# KiCad board arena_10_of_10_v1r1.kicad_pcb (continued)
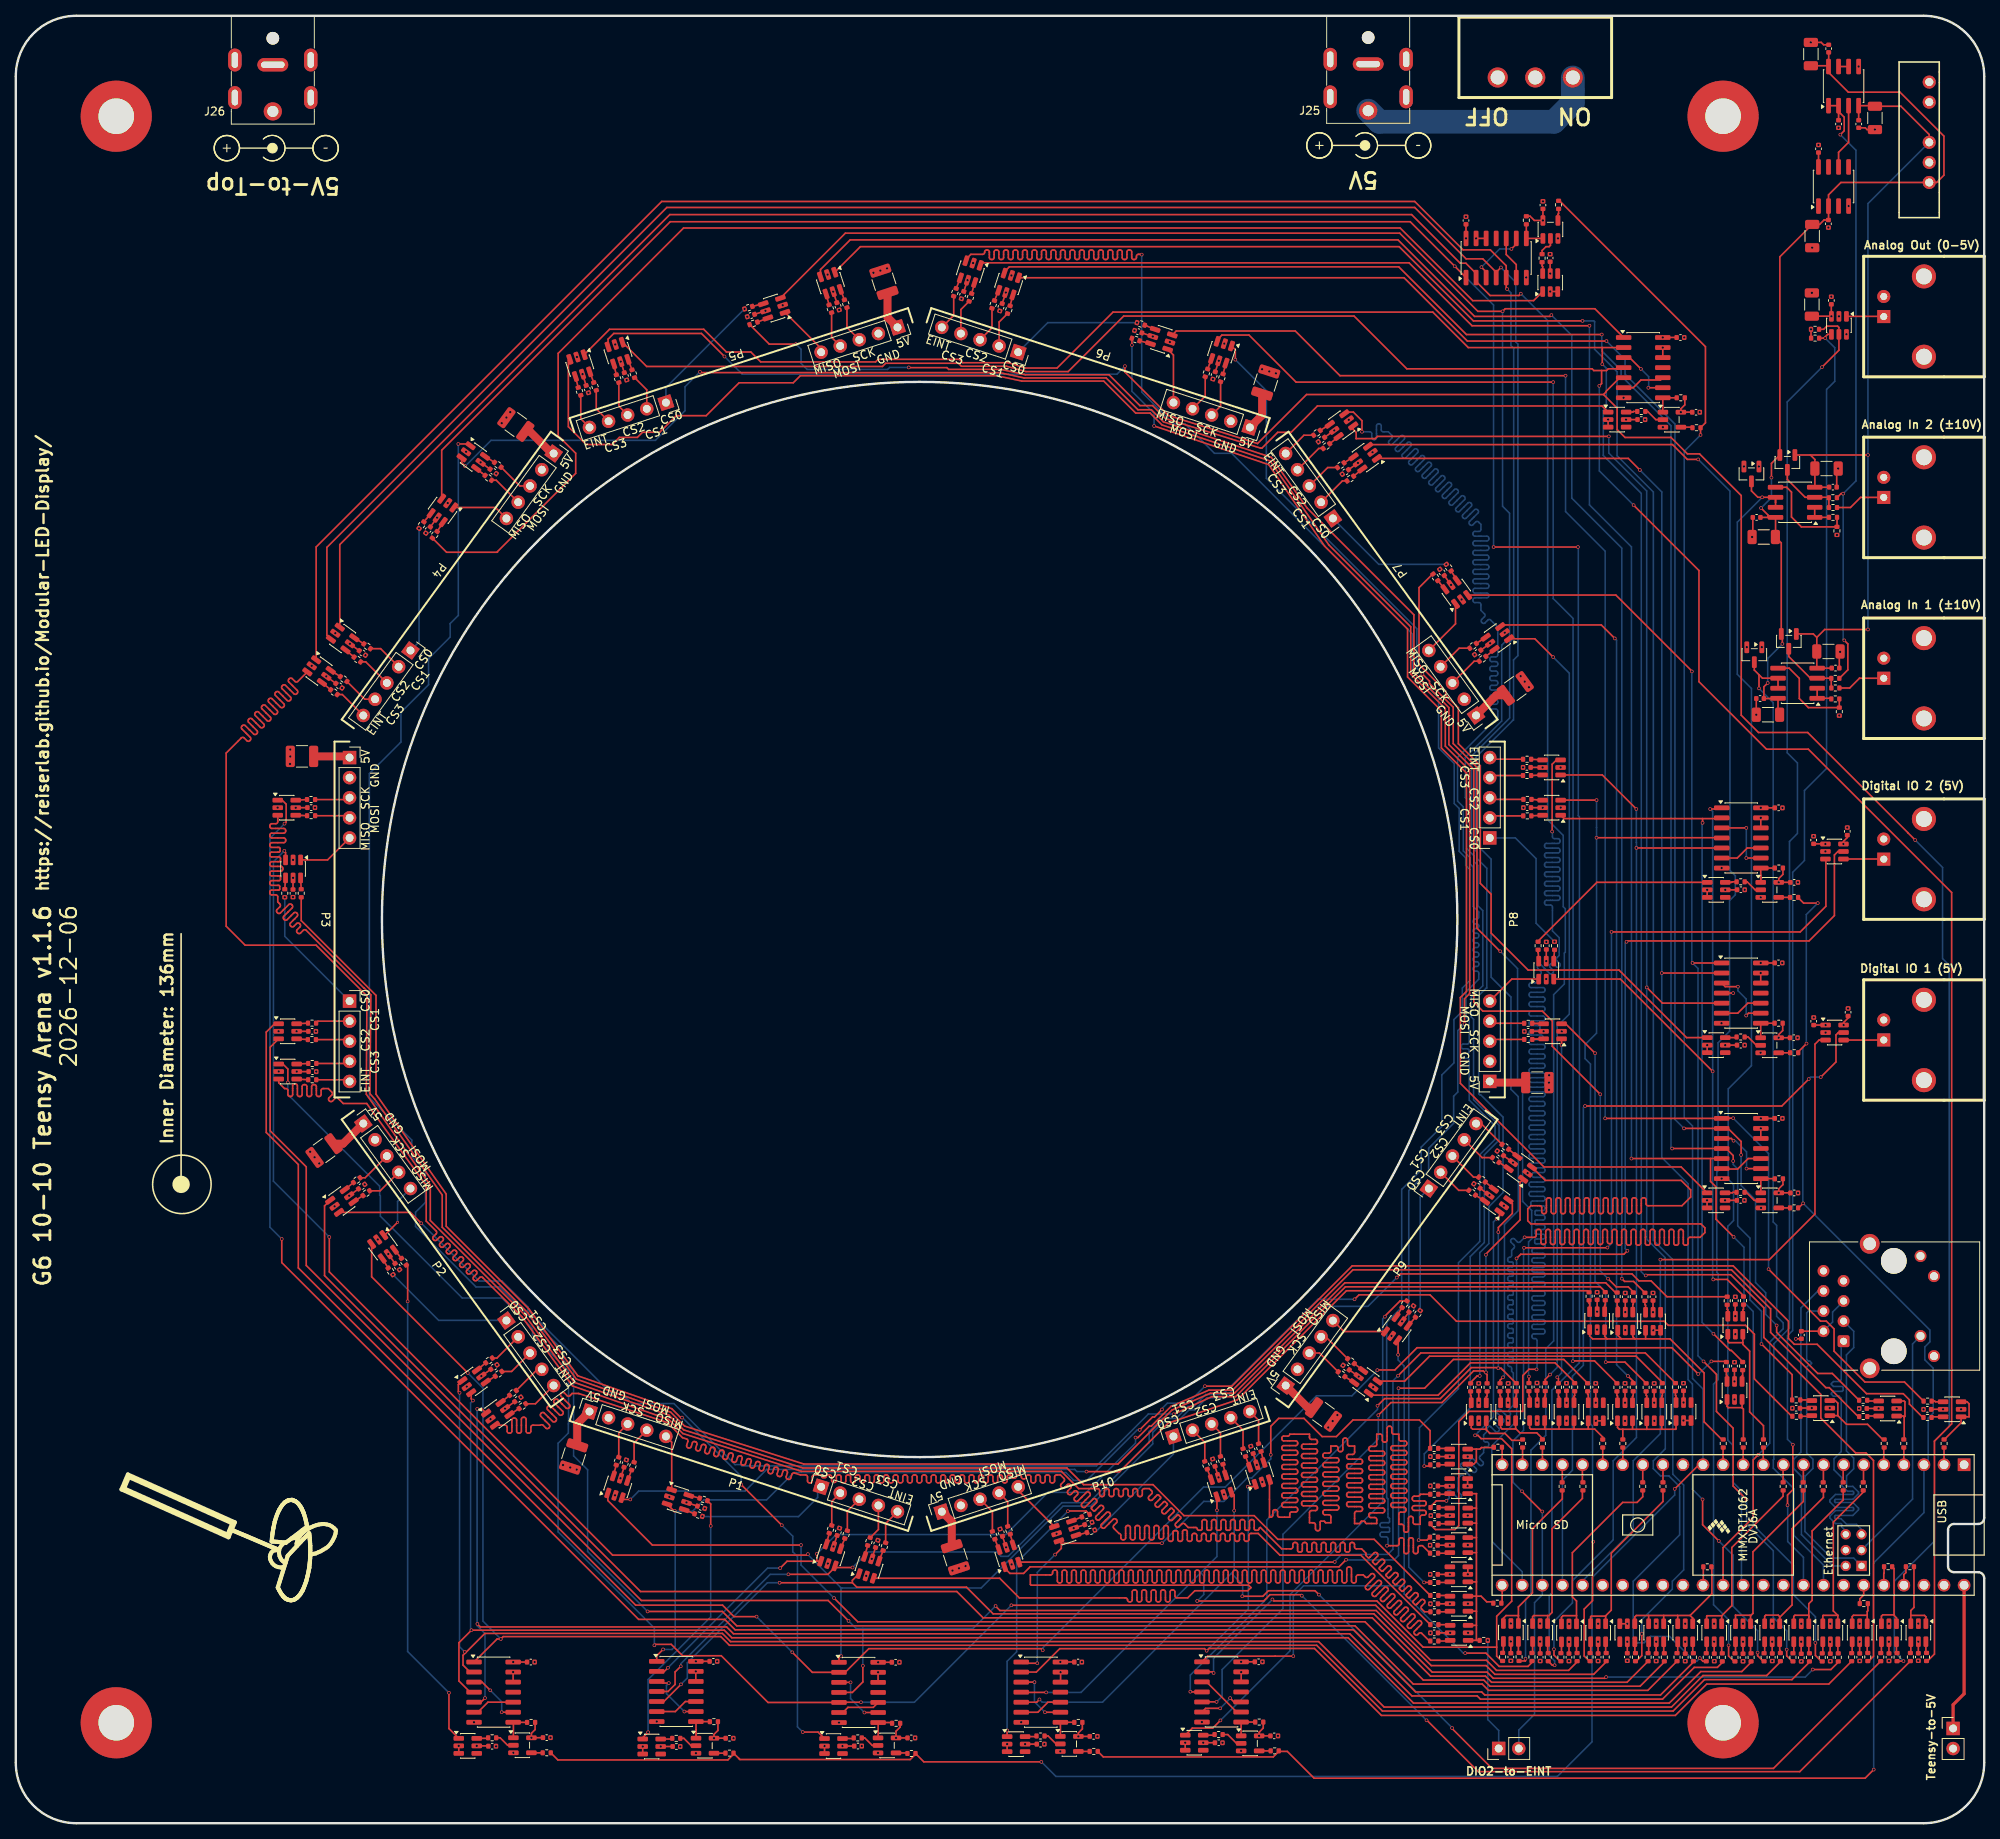
[diagram p0: board, top side]
## Routing (per net, layer and track width the routed paths; a pad name or vN(x,y) marks a point on that pad's centre or on a via; arc(x,y) is an arc through that point) (continued)
/Fan Out/PAN.EINT_P7: length 259.4
  Top w0.2: v1(170.24,175.99) 170.24,177.39 169.15,178.48 168.22,178.48 U69.3 ; R89.2 178.46,35.8 v1(177.4,35.8)
  Bottom w0.2: v1(177.4,35.8) 177.5,35.9 177.5,50.02 182.44,54.96 182.44,70.89 185.13,73.59 185.13,84.56 187.07,86.49 187.07,88.19 183.8,91.46 183.8,96.51 arc(183.73,96.68) 183.56,96.75 183.04,96.75 arc(182.87,96.82) 182.8,96.99 182.8,97.11 arc(182.87,97.28) 183.04,97.35 183.56,97.35 arc(183.73,97.42) 183.8,97.59 183.8,97.71 arc(183.73,97.88) 183.56,97.95 183.04,97.95 arc(182.87,98.02) 182.8,98.19 182.8,98.31 arc(182.87,98.48) 183.04,98.55 183.56,98.55 arc(183.73,98.62) 183.8,98.79 183.8,101.55 183.38,101.98 183.38,105.13 185,106.75 185,107.52 arc(184.93,107.69) 184.76,107.76 184.54,107.76 arc(184.37,107.83) 184.3,108 184.3,108.12 arc(184.37,108.29) 184.54,108.36 184.76,108.36 arc(184.93,108.43) 185,108.6 185,108.72 arc(184.93,108.89) 184.76,108.96 184.54,108.96 arc(184.37,109.03) 184.3,109.2 184.3,109.32 arc(184.37,109.49) 184.54,109.56 184.76,109.56 arc(184.93,109.63) 185,109.8 185,109.92 arc(184.93,110.09) 184.76,110.16 184.54,110.16 arc(184.37,110.23) 184.3,110.4 184.3,110.52 arc(184.37,110.69) 184.54,110.76 184.76,110.76 arc(184.93,110.83) 185,111 185,111.12 arc(184.93,111.29) 184.76,111.36 184.54,111.36 arc(184.37,111.43) 184.3,111.6 184.3,111.72 arc(184.37,111.89) 184.54,111.96 184.76,111.96 arc(184.93,112.03) 185,112.2 185,112.32 arc(184.93,112.49) 184.76,112.56 184.54,112.56 arc(184.37,112.63) 184.3,112.8 184.3,112.92 arc(184.37,113.09) 184.54,113.16 184.76,113.16 arc(184.93,113.23) 185,113.4 185,113.52 arc(184.93,113.69) 184.76,113.76 184.54,113.76 arc(184.37,113.83) 184.3,114 184.3,114.12 arc(184.37,114.29) 184.54,114.36 184.76,114.36 arc(184.93,114.43) 185,114.6 185,115.25 184.3,115.95 184.3,120.93 183.9,121.33 183.9,122.13 183.05,122.98 183.05,128.55 182.32,129.28 182.32,134.8 186.49,138.96 187.41,139.88 187.41,140.68 arc(187.33,140.85) 187.17,140.92 186.65,140.92 arc(186.48,140.99) 186.41,141.16 186.41,141.28 arc(186.48,141.45) 186.65,141.52 187.17,141.52 arc(187.33,141.59) 187.41,141.76 187.41,141.88 arc(187.33,142.05) 187.17,142.12 186.65,142.12 arc(186.48,142.19) 186.41,142.36 186.41,142.48 arc(186.48,142.65) 186.65,142.72 187.17,142.72 arc(187.33,142.79) 187.41,142.96 187.41,143.08 arc(187.33,143.25) 187.17,143.32 186.65,143.32 arc(186.48,143.39) 186.41,143.56 186.41,143.68 arc(186.48,143.85) 186.65,143.92 187.17,143.92 arc(187.33,143.99) 187.41,144.16 187.41,144.28 arc(187.33,144.45) 187.17,144.52 186.65,144.52 arc(186.48,144.59) 186.41,144.76 186.41,144.88 arc(186.48,145.05) 186.65,145.12 187.17,145.12 arc(187.33,145.19) 187.41,145.36 187.41,145.48 arc(187.33,145.65) 187.17,145.72 186.65,145.72 arc(186.48,145.79) 186.41,145.96 186.41,146.08 arc(186.48,146.25) 186.65,146.32 187.17,146.32 arc(187.33,146.39) 187.41,146.56 187.41,146.68 arc(187.33,146.85) 187.17,146.92 186.65,146.92 arc(186.48,146.99) 186.41,147.16 186.41,147.28 arc(186.48,147.45) 186.65,147.52 187.17,147.52 arc(187.33,147.59) 187.41,147.76 187.41,151.28 186.5,152.18 arc(186.33,152.25) 186.16,152.18 185.79,151.81 arc(185.62,151.74) 185.45,151.81 185.37,151.9 arc(185.3,152.07) 185.37,152.24 185.73,152.61 arc(185.8,152.78) 185.73,152.95 185.28,153.41 185.28,154.15 arc(185.2,154.31) 185.03,154.39 184.51,154.39 arc(184.35,154.46) 184.28,154.63 184.28,154.75 arc(184.35,154.91) 184.51,154.99 186.03,154.99 arc(186.2,155.06) 186.28,155.23 186.28,155.35 arc(186.2,155.51) 186.03,155.59 184.51,155.59 arc(184.35,155.66) 184.28,155.83 184.28,155.95 arc(184.35,156.11) 184.51,156.19 186.03,156.19 arc(186.2,156.26) 186.28,156.43 186.28,156.55 arc(186.2,156.71) 186.03,156.79 184.51,156.79 arc(184.35,156.86) 184.28,157.03 184.28,157.15 arc(184.35,157.31) 184.51,157.39 186.03,157.39 arc(186.2,157.46) 186.28,157.63 186.28,157.75 arc(186.2,157.91) 186.03,157.99 184.51,157.99 arc(184.35,158.06) 184.28,158.23 184.28,158.35 arc(184.35,158.51) 184.51,158.59 186.03,158.59 arc(186.2,158.66) 186.28,158.83 186.28,158.95 arc(186.2,159.11) 186.03,159.19 184.51,159.19 arc(184.35,159.26) 184.28,159.43 184.28,159.55 arc(184.35,159.71) 184.51,159.79 186.03,159.79 arc(186.2,159.86) 186.28,160.03 186.28,160.15 arc(186.2,160.31) 186.03,160.39 184.51,160.39 arc(184.35,160.46) 184.28,160.63 184.28,160.75 arc(184.35,160.91) 184.51,160.99 186.03,160.99 arc(186.2,161.06) 186.28,161.23 186.28,161.35 arc(186.2,161.51) 186.03,161.59 184.51,161.59 arc(184.35,161.66) 184.28,161.83 184.28,161.95 arc(184.35,162.11) 184.51,162.19 186.03,162.19 arc(186.2,162.26) 186.28,162.43 186.28,162.55 arc(186.2,162.71) 186.03,162.79 184.51,162.79 arc(184.35,162.86) 184.28,163.03 184.28,163.15 arc(184.35,163.31) 184.51,163.39 185.03,163.39 arc(185.2,163.46) 185.28,163.63 185.28,164.28 184.97,164.58 arc(184.8,164.65) 184.63,164.58 184.26,164.22 arc(184.09,164.15) 183.92,164.22 183.83,164.3 arc(183.76,164.47) 183.83,164.64 184.91,165.72 arc(184.98,165.89) 184.91,166.06 184.82,166.14 arc(184.65,166.21) 184.48,166.14 183.41,165.07 arc(183.24,165) 183.07,165.07 182.99,165.15 arc(182.92,165.32) 182.99,165.49 184.06,166.56 arc(184.13,166.73) 184.06,166.9 183.98,166.99 arc(183.81,167.06) 183.64,166.99 182.56,165.91 arc(182.39,165.84) 182.22,165.91 182.14,166 arc(182.07,166.17) 182.14,166.34 183.21,167.41 arc(183.28,167.58) 183.21,167.75 183.13,167.84 arc(182.96,167.91) 182.79,167.84 181.71,166.76 arc(181.54,166.69) 181.37,166.76 181.29,166.85 arc(181.22,167.02) 181.29,167.19 182.36,168.26 arc(182.43,168.43) 182.36,168.6 182.28,168.69 arc(182.11,168.76) 181.94,168.69 180.86,167.61 arc(180.69,167.54) 180.52,167.61 180.44,167.7 arc(180.37,167.87) 180.44,168.04 181.51,169.11 arc(181.59,169.28) 181.51,169.45 181.43,169.53 arc(181.26,169.6) 181.09,169.53 180.02,168.46 arc(179.85,168.39) 179.68,168.46 179.59,168.54 arc(179.52,168.71) 179.59,168.88 180.67,169.96 arc(180.74,170.13) 180.67,170.3 180.58,170.38 arc(180.41,170.45) 180.24,170.38 179.17,169.31 arc(179,169.24) 178.83,169.31 178.74,169.39 arc(178.67,169.56) 178.74,169.73 179.82,170.81 arc(179.89,170.98) 179.82,171.15 179.73,171.23 arc(179.56,171.3) 179.39,171.23 178.32,170.16 arc(178.15,170.09) 177.98,170.16 177.89,170.24 arc(177.82,170.41) 177.89,170.58 178.97,171.66 arc(179.04,171.83) 178.97,171.99 178.88,172.08 arc(178.71,172.15) 178.54,172.08 177.47,171.01 arc(177.3,170.93) 177.13,171.01 177.05,171.09 arc(176.98,171.26) 177.05,171.43 178.12,172.5 arc(178.19,172.67) 178.12,172.84 178.04,172.93 arc(177.87,173) 177.7,172.93 176.62,171.85 arc(176.45,171.78) 176.28,171.85 176.2,171.94 arc(176.13,172.11) 176.2,172.28 177.27,173.35 arc(177.34,173.52) 177.27,173.69 177.19,173.78 arc(177.02,173.85) 176.85,173.78 175.77,172.7 arc(175.6,172.63) 175.43,172.7 175.35,172.79 arc(175.28,172.96) 175.35,173.13 176.42,174.2 arc(176.49,174.37) 176.42,174.54 176.34,174.63 arc(176.17,174.7) 176,174.63 174.92,173.55 arc(174.75,173.48) 174.59,173.55 174.5,173.64 arc(174.43,173.81) 174.5,173.97 175.58,175.05 arc(175.65,175.22) 175.58,175.39 175.49,175.47 arc(175.32,175.54) 175.15,175.47 174.08,174.4 arc(173.91,174.33) 173.74,174.4 173.65,174.48 arc(173.58,174.65) 173.65,174.82 174.02,175.19 arc(174.09,175.36) 174.02,175.53 173.56,175.99 172.91,175.99 arc(172.74,176.06) 172.67,176.23 172.67,176.75 arc(172.6,176.92) 172.43,176.99 172.31,176.99 arc(172.14,176.92) 172.07,176.75 172.07,175.23 arc(172,175.06) 171.83,174.99 171.71,174.99 arc(171.54,175.06) 171.47,175.23 171.47,175.75 arc(171.4,175.92) 171.23,175.99 v1(170.24,175.99)
/Fan Out/PAN.EINT_P8: length 260.1
  Top w0.2: v1(192.31,57.4) 192.3,57.41 191.36,57.41 190.57,56.62 190.57,52.09 183.78,52.09 182.48,50.79 182.48,37.63 181.99,37.14 179.52,37.14 178.91,37.76 R90.2 ; U73.3 194.83,134.48 194.29,133.93 v1(194.29,125.43)
  Bottom w0.2: v1(194.29,125.43) 194.32,125.39 194.32,124.77 arc(194.4,124.6) 194.56,124.53 195.04,124.53 arc(195.2,124.46) 195.27,124.29 195.27,124.17 arc(195.2,124) 195.04,123.93 193.56,123.93 arc(193.4,123.86) 193.32,123.69 193.32,123.57 arc(193.4,123.4) 193.56,123.33 195.04,123.33 arc(195.2,123.26) 195.27,123.09 195.27,122.97 arc(195.2,122.8) 195.04,122.73 193.56,122.73 arc(193.4,122.66) 193.32,122.49 193.32,122.37 arc(193.4,122.2) 193.56,122.13 195.04,122.13 arc(195.2,122.06) 195.27,121.89 195.27,121.77 arc(195.2,121.6) 195.04,121.53 193.56,121.53 arc(193.4,121.46) 193.32,121.29 193.32,121.17 arc(193.4,121) 193.56,120.93 195.04,120.93 arc(195.2,120.86) 195.27,120.69 195.27,120.57 arc(195.2,120.4) 195.04,120.33 193.56,120.33 arc(193.4,120.26) 193.32,120.09 193.32,119.97 arc(193.4,119.8) 193.56,119.73 195.04,119.73 arc(195.2,119.66) 195.27,119.49 195.27,119.37 arc(195.2,119.2) 195.04,119.13 193.56,119.13 arc(193.4,119.06) 193.32,118.89 193.32,118.77 arc(193.4,118.6) 193.56,118.53 195.04,118.53 arc(195.2,118.46) 195.27,118.29 195.27,118.17 arc(195.2,118) 195.04,117.93 193.56,117.93 arc(193.4,117.86) 193.32,117.69 193.32,117.57 arc(193.4,117.4) 193.56,117.33 195.04,117.33 arc(195.2,117.26) 195.27,117.09 195.27,116.97 arc(195.2,116.8) 195.04,116.73 193.56,116.73 arc(193.4,116.66) 193.32,116.49 193.32,116.37 arc(193.4,116.2) 193.56,116.13 194.08,116.13 arc(194.25,116.06) 194.32,115.89 194.32,112.85 195.18,112 195.18,109.75 194.87,109.45 arc(194.8,109.28) 194.87,109.11 195.24,108.74 arc(195.31,108.57) 195.24,108.4 195.15,108.32 arc(194.98,108.24) 194.81,108.32 194.45,108.68 arc(194.28,108.75) 194.11,108.68 194.02,108.6 arc(193.95,108.43) 194.02,108.26 194.39,107.89 arc(194.46,107.72) 194.39,107.55 194.31,107.47 arc(194.14,107.4) 193.97,107.47 192.89,108.54 arc(192.72,108.61) 192.55,108.54 192.47,108.46 arc(192.4,108.29) 192.47,108.12 192.83,107.75 arc(192.9,107.58) 192.83,107.41 192.38,106.95 192.38,106.53 arc(192.3,106.36) 192.13,106.29 191.62,106.29 arc(191.45,106.22) 191.38,106.05 191.38,105.93 arc(191.45,105.76) 191.62,105.69 193.13,105.69 arc(193.3,105.62) 193.38,105.45 193.38,105.33 arc(193.3,105.16) 193.13,105.09 191.62,105.09 arc(191.45,105.02) 191.38,104.85 191.38,104.73 arc(191.45,104.56) 191.62,104.49 193.13,104.49 arc(193.3,104.42) 193.38,104.25 193.38,104.13 arc(193.3,103.96) 193.13,103.89 191.62,103.89 arc(191.45,103.82) 191.38,103.65 191.38,103.53 arc(191.45,103.36) 191.62,103.29 193.13,103.29 arc(193.3,103.22) 193.38,103.05 193.38,102.93 arc(193.3,102.76) 193.13,102.69 191.62,102.69 arc(191.45,102.62) 191.38,102.45 191.38,102.33 arc(191.45,102.16) 191.62,102.09 193.13,102.09 arc(193.3,102.02) 193.38,101.85 193.38,101.73 arc(193.3,101.56) 193.13,101.49 191.62,101.49 arc(191.45,101.42) 191.38,101.25 191.38,101.13 arc(191.45,100.96) 191.62,100.89 192.55,100.89 arc(192.67,100.84) 192.73,100.72 192.73,100.47 arc(192.67,100.34) 192.55,100.29 191.62,100.29 arc(191.45,100.22) 191.38,100.05 191.38,99.93 arc(191.45,99.76) 191.62,99.69 192.88,99.69 arc(193.05,99.62) 193.12,99.45 193.12,99.33 arc(193.05,99.16) 192.88,99.09 191.62,99.09 arc(191.45,99.02) 191.38,98.85 191.38,98.73 arc(191.45,98.56) 191.62,98.49 193.13,98.49 arc(193.3,98.42) 193.38,98.25 193.38,98.13 arc(193.3,97.96) 193.13,97.89 191.62,97.89 arc(191.45,97.82) 191.38,97.65 191.38,97.53 arc(191.45,97.36) 191.62,97.29 193.13,97.29 arc(193.3,97.22) 193.38,97.05 193.38,96.93 arc(193.3,96.76) 193.13,96.69 191.62,96.69 arc(191.45,96.62) 191.38,96.45 191.38,96.33 arc(191.45,96.16) 191.62,96.09 193.13,96.09 arc(193.3,96.02) 193.38,95.85 193.38,95.73 arc(193.3,95.56) 193.13,95.49 191.62,95.49 arc(191.45,95.42) 191.38,95.25 191.38,95.13 arc(191.45,94.96) 191.62,94.89 193.13,94.89 arc(193.3,94.82) 193.38,94.65 193.38,94.53 arc(193.3,94.36) 193.13,94.29 191.62,94.29 arc(191.45,94.22) 191.38,94.05 191.38,93.93 arc(191.45,93.76) 191.62,93.69 193.13,93.69 arc(193.3,93.62) 193.38,93.45 193.38,93.33 arc(193.3,93.16) 193.13,93.09 191.62,93.09 arc(191.45,93.02) 191.38,92.85 191.38,92.73 arc(191.45,92.56) 191.62,92.49 193.13,92.49 arc(193.3,92.42) 193.38,92.25 193.38,92.13 arc(193.3,91.96) 193.13,91.89 191.62,91.89 arc(191.45,91.82) 191.38,91.65 191.38,91.53 arc(191.45,91.36) 191.62,91.29 193.13,91.29 arc(193.3,91.22) 193.38,91.05 193.38,90.93 arc(193.3,90.76) 193.13,90.69 191.62,90.69 arc(191.45,90.62) 191.38,90.45 191.38,90.33 arc(191.45,90.16) 191.62,90.09 193.13,90.09 arc(193.3,90.02) 193.38,89.85 193.38,89.73 arc(193.3,89.56) 193.13,89.49 191.62,89.49 arc(191.45,89.42) 191.38,89.25 191.38,89.13 arc(191.45,88.96) 191.62,88.89 193.13,88.89 arc(193.3,88.82) 193.38,88.65 193.38,88.53 arc(193.3,88.36) 193.13,88.29 191.62,88.29 arc(191.45,88.22) 191.38,88.05 191.38,87.93 arc(191.45,87.76) 191.62,87.69 193.13,87.69 arc(193.3,87.62) 193.38,87.45 193.38,87.33 arc(193.3,87.16) 193.13,87.09 191.62,87.09 arc(191.45,87.02) 191.38,86.85 191.38,86.73 arc(191.45,86.56) 191.62,86.49 193.13,86.49 arc(193.3,86.42) 193.38,86.25 193.38,86.13 arc(193.3,85.96) 193.13,85.89 191.62,85.89 arc(191.45,85.82) 191.38,85.65 191.38,85.53 arc(191.45,85.36) 191.62,85.29 193.13,85.29 arc(193.3,85.22) 193.38,85.05 193.38,84.93 arc(193.3,84.76) 193.13,84.69 191.62,84.69 arc(191.45,84.62) 191.38,84.45 191.38,84.33 arc(191.45,84.16) 191.62,84.09 193.13,84.09 arc(193.3,84.02) 193.38,83.85 193.38,83.73 arc(193.3,83.56) 193.13,83.49 191.62,83.49 arc(191.45,83.42) 191.38,83.25 191.38,83.13 arc(191.45,82.96) 191.62,82.89 193.13,82.89 arc(193.3,82.82) 193.38,82.65 193.38,82.53 arc(193.3,82.36) 193.13,82.29 191.97,82.29 arc(191.8,82.22) 191.72,82.05 191.72,81.93 arc(191.8,81.76) 191.97,81.69 193.13,81.69 arc(193.3,81.62) 193.38,81.45 193.38,81.33 arc(193.3,81.16) 193.13,81.09 191.62,81.09 arc(191.45,81.02) 191.38,80.85 191.38,80.73 arc(191.45,80.56) 191.62,80.49 193.13,80.49 arc(193.3,80.42) 193.38,80.25 193.38,80.13 arc(193.3,79.96) 193.13,79.89 191.62,79.89 arc(191.45,79.82) 191.38,79.65 191.38,79.53 arc(191.45,79.36) 191.62,79.29 193.13,79.29 arc(193.3,79.22) 193.38,79.05 193.38,78.93 arc(193.3,78.76) 193.13,78.69 191.81,78.69 arc(191.65,78.62) 191.57,78.45 191.57,78.33 arc(191.65,78.16) 191.81,78.09 193.13,78.09 arc(193.3,78.02) 193.38,77.85 193.38,77.73 arc(193.3,77.56) 193.13,77.49 192.25,77.49 arc(192.16,77.45) 192.12,77.37 192.12,77.02 arc(192.16,76.93) 192.25,76.89 193.13,76.89 arc(193.3,76.82) 193.38,76.65 193.38,76.53 arc(193.3,76.36) 193.13,76.29 192.25,76.29 arc(192.16,76.25) 192.12,76.17 192.12,75.82 arc(192.16,75.73) 192.25,75.69 193.13,75.69 arc(193.3,75.62) 193.38,75.45 193.38,75.33 arc(193.3,75.16) 193.13,75.09 192.25,75.09 arc(192.16,75.05) 192.12,74.97 192.12,74.62 arc(192.16,74.53) 192.25,74.49 193.13,74.49 arc(193.3,74.42) 193.38,74.25 193.38,74.13 arc(193.3,73.96) 193.13,73.89 192.22,73.89 arc(192.12,73.85) 192.07,73.74 192.07,73.44 arc(192.12,73.34) 192.22,73.29 193.13,73.29 arc(193.3,73.22) 193.38,73.05 193.38,72.93 arc(193.3,72.76) 193.13,72.69 191.97,72.69 arc(191.8,72.62) 191.72,72.45 191.72,72.33 arc(191.8,72.16) 191.97,72.09 193.13,72.09 arc(193.3,72.02) 193.38,71.85 193.38,71.73 arc(193.3,71.56) 193.13,71.49 191.97,71.49 arc(191.8,71.42) 191.72,71.25 191.72,71.13 arc(191.8,70.96) 191.97,70.89 193.13,70.89 arc(193.3,70.82) 193.38,70.65 193.38,70.53 arc(193.3,70.36) 193.13,70.29 191.97,70.29 arc(191.8,70.22) 191.72,70.05 191.72,69.93 arc(191.8,69.76) 191.97,69.69 193.13,69.69 arc(193.3,69.62) 193.38,69.45 193.38,69.33 arc(193.3,69.16) 193.13,69.09 191.97,69.09 arc(191.8,69.02) 191.72,68.85 191.72,68.73 arc(191.8,68.56) 191.97,68.49 193.13,68.49 arc(193.3,68.42) 193.38,68.25 193.38,68.13 arc(193.3,67.96) 193.13,67.89 191.97,67.89 arc(191.8,67.82) 191.72,67.65 191.72,67.53 arc(191.8,67.36) 191.97,67.29 193.13,67.29 arc(193.3,67.22) 193.38,67.05 193.38,66.93 arc(193.3,66.76) 193.13,66.69 191.97,66.69 arc(191.8,66.62) 191.72,66.45 191.72,66.33 arc(191.8,66.16) 191.97,66.09 193.13,66.09 arc(193.3,66.02) 193.38,65.85 193.38,65.73 arc(193.3,65.56) 193.13,65.49 191.97,65.49 arc(191.8,65.42) 191.72,65.25 191.72,65.13 arc(191.8,64.96) 191.97,64.89 193.13,64.89 arc(193.3,64.82) 193.38,64.65 193.38,64.53 arc(193.3,64.36) 193.13,64.29 191.97,64.29 arc(191.8,64.22) 191.72,64.05 191.72,63.93 arc(191.8,63.76) 191.97,63.69 193.13,63.69 arc(193.3,63.62) 193.38,63.45 193.38,63.33 arc(193.3,63.16) 193.13,63.09 191.97,63.09 arc(191.8,63.02) 191.72,62.85 191.72,62.73 arc(191.8,62.56) 191.97,62.49 193.13,62.49 arc(193.3,62.42) 193.38,62.25 193.38,62.13 arc(193.3,61.96) 193.13,61.89 191.97,61.89 arc(191.8,61.82) 191.72,61.65 191.72,61.53 arc(191.8,61.36) 191.97,61.29 192.13,61.29 arc(192.3,61.22) 192.38,61.05 192.38,57.46 v1(192.31,57.4)
/Fan Out/PAN.EINT_P9: length 258.2
  Top w0.2: v1(180.91,40.77) 179.63,40.77 178.91,40.04 R91.2 ; U77.3 193.42,81.3 210.6,81.3 211.8,80.1 211.8,79.2 210.7,78.1 206.4,78.1 arc(206.23,78.17) 206.16,78.34 206.16,78.86 arc(206.09,79.03) 205.92,79.1 205.8,79.1 arc(205.63,79.03) 205.56,78.86 205.56,77.34 arc(205.49,77.17) 205.32,77.1 205.2,77.1 arc(205.03,77.17) 204.96,77.34 204.96,78.86 arc(204.89,79.03) 204.72,79.1 204.6,79.1 arc(204.43,79.03) 204.36,78.86 204.36,77.34 arc(204.29,77.17) 204.12,77.1 204,77.1 arc(203.83,77.17) 203.76,77.34 203.76,78.86 arc(203.69,79.03) 203.52,79.1 203.4,79.1 arc(203.23,79.03) 203.16,78.86 203.16,77.34 arc(203.09,77.17) 202.92,77.1 202.8,77.1 arc(202.63,77.17) 202.56,77.34 202.56,78.86 arc(202.49,79.03) 202.32,79.1 202.2,79.1 arc(202.03,79.03) 201.96,78.86 201.96,77.34 arc(201.89,77.17) 201.72,77.1 201.6,77.1 arc(201.43,77.17) 201.36,77.34 201.36,78.86 arc(201.29,79.03) 201.12,79.1 201,79.1 arc(200.83,79.03) 200.76,78.86 200.76,77.34 arc(200.69,77.17) 200.52,77.1 200.4,77.1 arc(200.23,77.17) 200.16,77.34 200.16,78.86 arc(200.09,79.03) 199.92,79.1 199.8,79.1 arc(199.63,79.03) 199.56,78.86 199.56,77.34 arc(199.49,77.17) 199.32,77.1 199.2,77.1 arc(199.03,77.17) 198.96,77.34 198.96,78.86 arc(198.89,79.03) 198.72,79.1 198.6,79.1 arc(198.43,79.03) 198.36,78.86 198.36,77.34 arc(198.29,77.17) 198.12,77.1 198,77.1 arc(197.83,77.17) 197.76,77.34 197.76,78.86 arc(197.69,79.03) 197.52,79.1 197.4,79.1 arc(197.23,79.03) 197.16,78.86 197.16,77.34 arc(197.09,77.17) 196.92,77.1 196.8,77.1 arc(196.63,77.17) 196.56,77.34 196.56,78.86 arc(196.49,79.03) 196.32,79.1 196.2,79.1 arc(196.03,79.03) 195.96,78.86 195.96,77.34 arc(195.89,77.17) 195.72,77.1 195.6,77.1 arc(195.43,77.17) 195.36,77.34 195.36,78.86 arc(195.29,79.03) 195.12,79.1 195,79.1 arc(194.83,79.03) 194.76,78.86 194.76,77.34 arc(194.69,77.17) 194.52,77.1 194.4,77.1 arc(194.23,77.17) 194.16,77.34 194.16,78.86 arc(194.09,79.03) 193.92,79.1 193.8,79.1 arc(193.63,79.03) 193.56,78.86 193.56,77.34 arc(193.49,77.17) 193.32,77.1 193.2,77.1 arc(193.03,77.17) 192.96,77.34 192.96,77.86 arc(192.89,78.03) 192.72,78.1 191.6,78.1 191.2,77.7 191.2,76.2 191.6,75.8 213.1,75.8 213.6,75.3 213.6,74.7 213,74.1 211.71,74.1 arc(211.54,74.03) 211.47,73.86 211.47,73.34 arc(211.4,73.17) 211.23,73.1 211.11,73.1 arc(210.94,73.17) 210.87,73.34 210.87,74.86 arc(210.8,75.03) 210.63,75.1 210.51,75.1 arc(210.34,75.03) 210.27,74.86 210.27,73.34 arc(210.2,73.17) 210.03,73.1 209.91,73.1 arc(209.74,73.17) 209.67,73.34 209.67,74.86 arc(209.6,75.03) 209.43,75.1 209.31,75.1 arc(209.14,75.03) 209.07,74.86 209.07,73.34 arc(209,73.17) 208.83,73.1 208.71,73.1 arc(208.54,73.17) 208.47,73.34 208.47,74.86 arc(208.4,75.03) 208.23,75.1 208.11,75.1 arc(207.94,75.03) 207.87,74.86 207.87,73.34 arc(207.8,73.17) 207.63,73.1 207.51,73.1 arc(207.34,73.17) 207.27,73.34 207.27,74.86 arc(207.2,75.03) 207.03,75.1 206.91,75.1 arc(206.74,75.03) 206.67,74.86 206.67,73.34 arc(206.6,73.17) 206.43,73.1 206.31,73.1 arc(206.14,73.17) 206.07,73.34 206.07,74.86 arc(206,75.03) 205.83,75.1 205.71,75.1 arc(205.54,75.03) 205.47,74.86 205.47,73.34 arc(205.4,73.17) 205.23,73.1 205.11,73.1 arc(204.94,73.17) 204.87,73.34 204.87,74.86 arc(204.8,75.03) 204.63,75.1 204.51,75.1 arc(204.34,75.03) 204.27,74.86 204.27,73.34 arc(204.2,73.17) 204.03,73.1 203.91,73.1 arc(203.74,73.17) 203.67,73.34 203.67,74.86 arc(203.6,75.03) 203.43,75.1 203.31,75.1 arc(203.14,75.03) 203.07,74.86 203.07,73.34 arc(203,73.17) 202.83,73.1 202.71,73.1 arc(202.54,73.17) 202.47,73.34 202.47,74.86 arc(202.4,75.03) 202.23,75.1 202.11,75.1 arc(201.94,75.03) 201.87,74.86 201.87,73.54 arc(201.8,73.37) 201.63,73.3 201.51,73.3 arc(201.34,73.37) 201.27,73.54 201.27,74.86 arc(201.2,75.03) 201.03,75.1 200.91,75.1 arc(200.74,75.03) 200.67,74.86 200.67,73.44 arc(200.6,73.27) 200.43,73.2 200.31,73.2 arc(200.14,73.27) 200.07,73.44 200.07,74.86 arc(200,75.03) 199.83,75.1 199.71,75.1 arc(199.54,75.03) 199.47,74.86 199.47,73.44 arc(199.4,73.27) 199.23,73.2 199.11,73.2 arc(198.94,73.27) 198.87,73.44 198.87,74.86 arc(198.8,75.03) 198.63,75.1 198.51,75.1 arc(198.34,75.03) 198.27,74.86 198.27,73.44 arc(198.2,73.27) 198.03,73.2 197.91,73.2 arc(197.74,73.27) 197.67,73.44 197.67,74.86 arc(197.6,75.03) 197.43,75.1 197.31,75.1 arc(197.14,75.03) 197.07,74.86 197.07,73.44 arc(197,73.27) 196.83,73.2 196.71,73.2 arc(196.54,73.27) 196.47,73.44 196.47,74.86 arc(196.4,75.03) 196.23,75.1 196.11,75.1 arc(195.94,75.03) 195.87,74.86 195.87,73.44 arc(195.8,73.27) 195.63,73.2 195.51,73.2 arc(195.34,73.27) 195.27,73.44 195.27,74.86 arc(195.2,75.03) 195.03,75.1 194.91,75.1 arc(194.74,75.03) 194.67,74.86 194.67,73.44 arc(194.6,73.27) 194.43,73.2 194.31,73.2 arc(194.14,73.27) 194.07,73.44 194.07,74.86 arc(194,75.03) 193.83,75.1 193.71,75.1 arc(193.54,75.03) 193.47,74.86 193.47,73.44 arc(193.4,73.27) 193.23,73.2 193.11,73.2 arc(192.94,73.27) 192.87,73.44 192.87,74.86 arc(192.8,75.03) 192.63,75.1 192.51,75.1 arc(192.34,75.03) 192.27,74.86 192.27,74.34 arc(192.2,74.17) 192.03,74.1 v1(190.8,74.1)
  Bottom w0.2: v1(190.8,74.1) 190.23,73.53 arc(190.06,73.46) 189.89,73.53 189.52,73.89 arc(189.35,73.96) 189.18,73.89 189.09,73.81 arc(189.02,73.64) 189.09,73.47 189.46,73.1 arc(189.53,72.93) 189.46,72.76 189.16,72.46 189.16,71.81 arc(189.09,71.64) 188.92,71.57 188.9,71.57 arc(188.73,71.5) 188.66,71.33 188.66,71.21 arc(188.73,71.04) 188.9,70.97 189.26,70.97 arc(189.33,70.94) 189.36,70.87 189.36,70.47 arc(189.33,70.4) 189.26,70.37 188.9,70.37 arc(188.73,70.3) 188.66,70.13 188.66,70.01 arc(188.73,69.84) 188.9,69.77 189.26,69.77 arc(189.33,69.74) 189.36,69.67 189.36,69.27 arc(189.33,69.2) 189.26,69.17 188.9,69.17 arc(188.73,69.1) 188.66,68.93 188.66,68.81 arc(188.73,68.64) 188.9,68.57 189.26,68.57 arc(189.33,68.54) 189.36,68.47 189.36,68.07 arc(189.33,68) 189.26,67.97 188.9,67.97 arc(188.73,67.9) 188.66,67.73 188.66,67.61 arc(188.73,67.44) 188.9,67.37 189.26,67.37 arc(189.33,67.34) 189.36,67.27 189.36,66.87 arc(189.33,66.8) 189.26,66.77 188.9,66.77 arc(188.73,66.7) 188.66,66.53 188.66,66.41 arc(188.73,66.24) 188.9,66.17 189.26,66.17 arc(189.33,66.14) 189.36,66.07 189.36,65.67 arc(189.33,65.6) 189.26,65.57 188.9,65.57 arc(188.73,65.5) 188.66,65.33 188.66,65.21 arc(188.73,65.04) 188.9,64.97 189.26,64.97 arc(189.33,64.94) 189.36,64.87 189.36,64.47 arc(189.33,64.4) 189.26,64.37 188.9,64.37 arc(188.73,64.3) 188.66,64.13 188.66,64.01 arc(188.73,63.84) 188.9,63.77 189.26,63.77 arc(189.33,63.74) 189.36,63.67 189.36,63.27 arc(189.33,63.2) 189.26,63.17 188.9,63.17 arc(188.73,63.1) 188.66,62.93 188.66,62.81 arc(188.73,62.64) 188.9,62.57 189.26,62.57 arc(189.33,62.54) 189.36,62.47 189.36,62.07 arc(189.33,62) 189.26,61.97 188.9,61.97 arc(188.73,61.9) 188.66,61.73 188.66,61.61 arc(188.73,61.44) 188.9,61.37 189.26,61.37 arc(189.33,61.34) 189.36,61.27 189.36,60.87 arc(189.33,60.8) 189.26,60.77 188.9,60.77 arc(188.73,60.7) 188.66,60.53 188.66,60.41 arc(188.73,60.24) 188.9,60.17 189.26,60.17 arc(189.33,60.14) 189.36,60.07 189.36,59.67 arc(189.33,59.6) 189.26,59.57 188.9,59.57 arc(188.73,59.5) 188.66,59.33 188.66,59.21 arc(188.73,59.04) 188.9,58.97 189.26,58.97 arc(189.33,58.94) 189.36,58.87 189.36,58.47 arc(189.33,58.4) 189.26,58.37 188.9,58.37 arc(188.73,58.3) 188.66,58.13 188.66,58.01 arc(188.73,57.84) 188.9,57.77 188.92,57.77 arc(189.09,57.7) 189.16,57.53 189.16,57.15 189.38,56.94 189.38,52.87 188.88,52.37 arc(188.81,52.2) 188.88,52.03 188.96,51.94 arc(189.03,51.77) 188.96,51.6 188.88,51.52 arc(188.71,51.45) 188.54,51.52 187.78,52.28 arc(187.61,52.35) 187.44,52.28 187.36,52.19 arc(187.29,52.02) 187.36,51.85 188.11,51.1 arc(188.18,50.93) 188.11,50.76 188.03,50.67 arc(187.86,50.6) 187.69,50.67 187.33,51.03 arc(187.22,51.08) 187.12,51.03 186.91,50.82 arc(186.86,50.71) 186.91,50.61 187.55,49.96 arc(187.62,49.79) 187.55,49.62 187.46,49.54 arc(187.29,49.47) 187.12,49.54 186.48,50.18 arc(186.37,50.23) 186.27,50.18 186.06,49.97 arc(186.01,49.86) 186.06,49.76 arc(186.1,49.65) 186.06,49.55 185.62,49.11 185.62,48.46 arc(185.69,48.29) 185.86,48.22 186.03,48.22 arc(186.2,48.15) 186.27,47.98 186.27,47.86 arc(186.2,47.69) 186.03,47.62 185.86,47.62 arc(185.69,47.55) 185.62,47.38 185.62,46.87 185.16,46.41 arc(185.09,46.24) 185.16,46.07 185.53,45.7 arc(185.6,45.53) 185.53,45.36 185.44,45.28 arc(185.27,45.21) 185.1,45.28 184.34,46.03 arc(184.18,46.1) 184.01,46.03 183.92,45.95 arc(183.85,45.78) 183.92,45.61 184.68,44.85 arc(184.75,44.68) 184.68,44.51 184.59,44.43 arc(184.42,44.36) 184.25,44.43 183.18,45.5 arc(183.01,45.57) 182.84,45.5 182.75,45.42 arc(182.68,45.25) 182.75,45.08 183.83,44 arc(183.9,43.83) 183.83,43.66 183.74,43.58 arc(183.57,43.51) 183.4,43.58 183.04,43.95 arc(182.87,44.02) 182.7,43.95 182.4,43.65 182.4,42.25 arc(182.33,42.08) 182.4,41.91 182.77,41.55 arc(182.84,41.38) 182.77,41.21 182.68,41.12 arc(182.51,41.05) 182.34,41.12 181.45,42.02 arc(181.28,42.09) 181.11,42.02 181.02,41.94 arc(180.95,41.77) 181.02,41.6 181.21,41.4 arc(181.28,41.23) 181.21,41.07 v1(180.91,40.77)
